# Altium PCB F4_PCB.PcbDoc (part 1 of 2)
Units mm, origin at the board's own origin, x right, y up, seen from the top; angles counter-clockwise.
Board outline 53 x 92 mm, 2 copper layers (Top Layer, Bottom Layer); 135 components, 165 nets, 659 pads, 265 vias.
Unrouted connection lines stored in the file: 117.
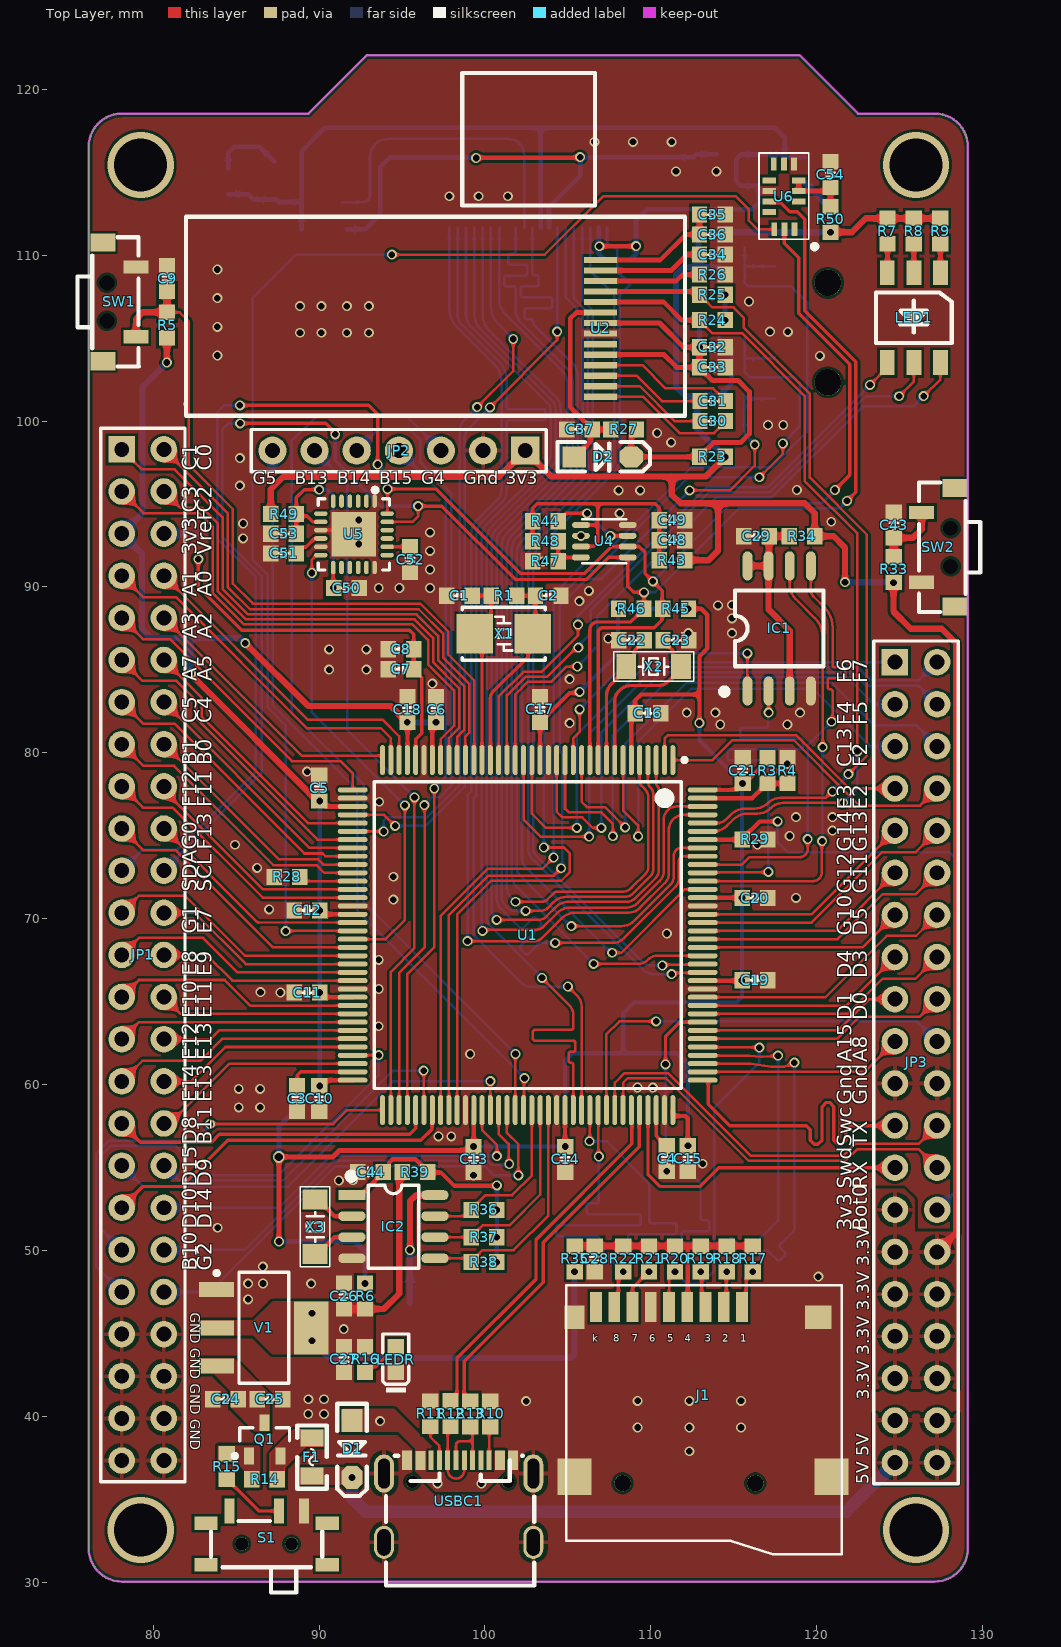
[diagram p0: Top Layer view]
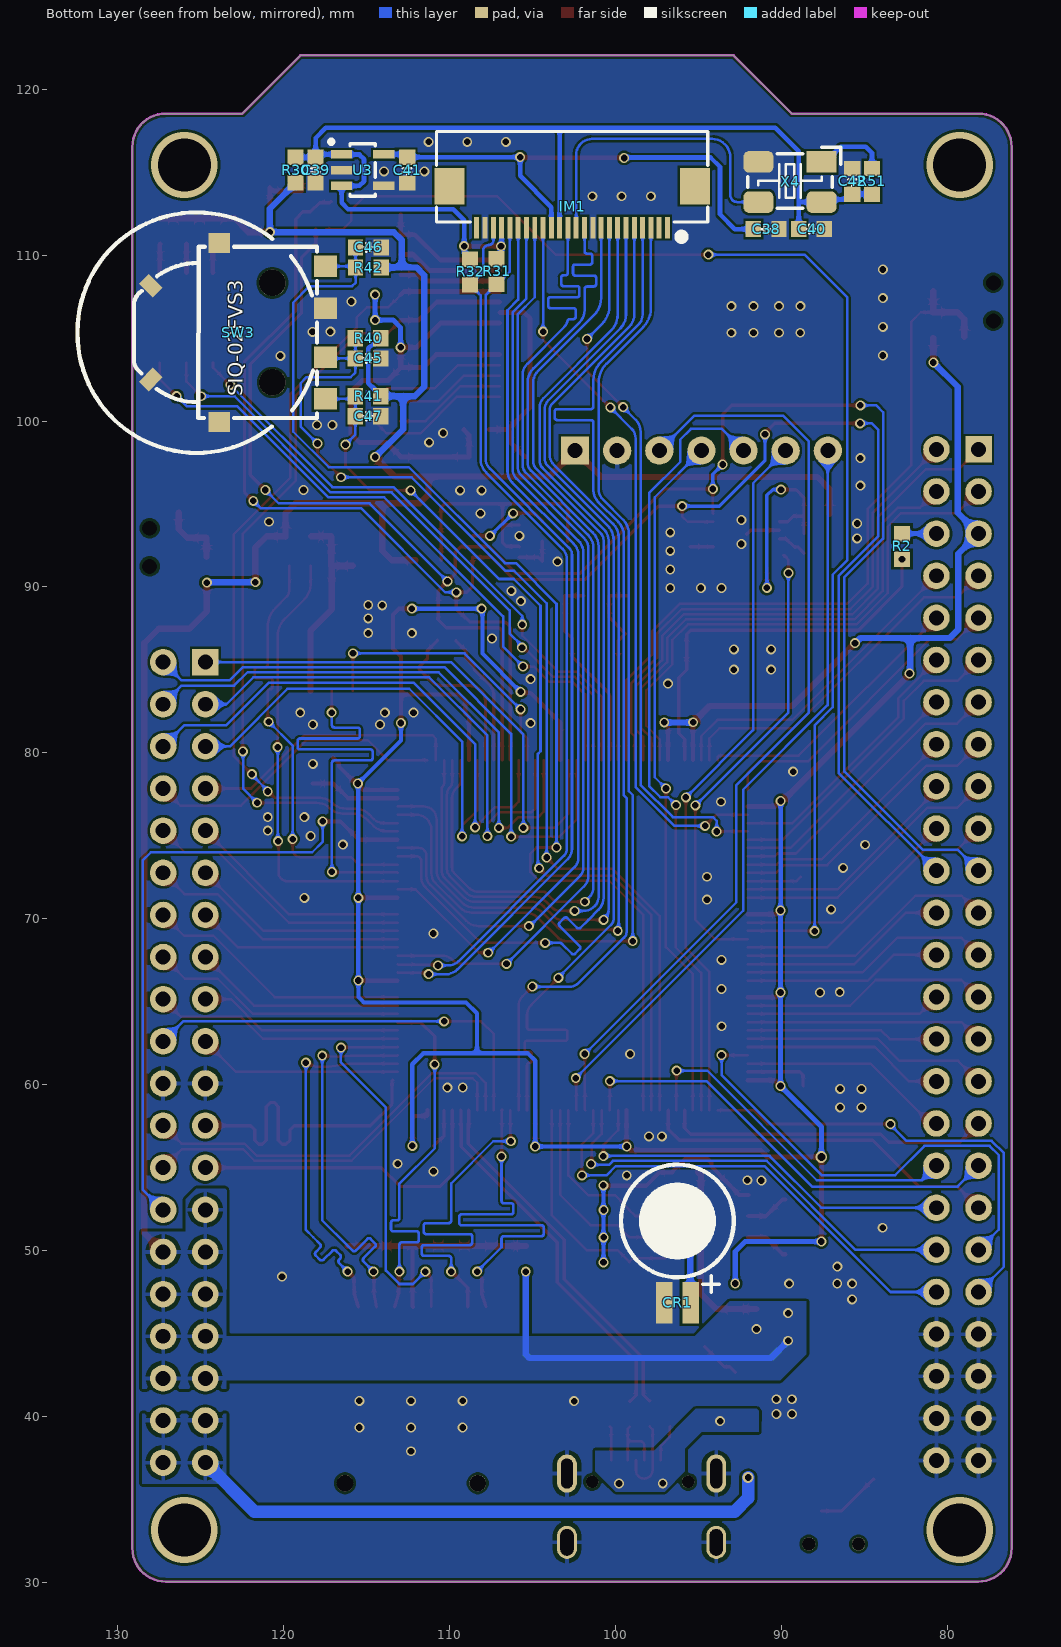
[diagram p1: Bottom Layer view, seen from below]

## Layer stack, top to bottom
Top Solder: solder mask 0.0102, Solder Resist, Dk 3.5
Top Layer: signal copper 0.0356
Dielectric 1: dielectric 0.32, FR-4, Dk 4.8
Bottom Layer: signal copper 0.0356
Bottom Solder: solder mask 0.0102, Solder Resist, Dk 3.5

## Board outline
76.116,32.042 76.116,116.542 cw(c78.116,116.542) 78.116,118.542 89.366,118.542 92.866,122.042 118.991,122.042 122.491,118.542 127.116,118.542 cw(c127.116,116.542) 129.116,116.542 129.116,32.042 cw(c127.116,32.042) 127.116,30.042 78.116,30.042 cw(c78.116,32.042)

## Design rules (kind name [scope] priority, off if disabled: settings)
Clearance Clearance_1 [InNetClass('fpc_14')] p1: gap=0.152 ignorepadtopadclearanceinfootprint=TRUE
Clearance [All] p2: gap=0.152 ignorepadtopadclearanceinfootprint=TRUE
DiffPairsRouting [All] p1: maxlimit=0.254 minlimit=0.178 mostfreqgap=0.229 toplayer_minwidth=0.152 toplayer_maxwidth=0.381 toplayer_prefwidth=0.152 bottomlayer_minwidth=0.152 bottomlayer_maxwidth=0.381 bottomlayer_prefwidth=0.152 maxuncoupledlength=12.7
HoleToHoleClearance [All] p1: gap=0 allowstackedmicrovias=TRUE
MinimumSolderMaskSliver [All] p1: minsoldermaskwidth=0
PlaneClearance [All] p1: clearance=0.254
PlaneConnect [All] p1: planeconnectstyle=Relief reliefexpansion=0.508 reliefentries=4 reliefconductorwidth=0.254 reliefairgap=0
PolygonConnect [All] p1: thpad.connectstyle=Relief thpad.reliefconductorwidth=0.254 thpad.reliefentries=4 thpad.polygonreliefangle="90 Angle" thpad.airgapwidth=0.254 smdpad.connectstyle=Direct smdpad.reliefconductorwidth=0.254 smdpad.reliefentries=4 smdpad.polygonreliefangle="90 Angle" smdpad.airgapwidth=0.254 via.connectstyle=Direct via.reliefconductorwidth=0.254 via.reliefentries=4 via.polygonreliefangle="90 Angle" via.airgapwidth=0.254
RoutingVias [All] p1: holewidth=0.4 width=0.6 viastyle="Through Hole" minholewidth=0.4 minwidth=0.6 maxholewidth=30 maxwidth=100
SilkToSilkClearance [All] p1: silktosilkclearance=0
SilkToSolderMaskClearance [IsPad] p1: minsilkscreentomaskgap=0 clearancetoexposedcopper=TRUE
SolderMaskExpansion [All] p1: expansion=0.102 istentingtop=TRUE
UnRoutedNet [All] p1: checkbadconnections=TRUE
Width [All] p1: maxlimit=0.762 minlimit=0.152 preferedwidth=0.152
22 further rules are at their usual default settings.

## Components (designator, comment, footprint, x,y, rotation, side; value= is the part's Value field where it differs from the comment)
C1 "104" "C 0603_N" 98.468,89.472 r180 top
C2 "104" "C 0603_N" 103.818,89.472 r0 top
C3 "104" "C 0603_N" 88.665,59.15 r90 top
C4 "104" "C 0603_N" 110.96,55.537 r90 top
C5 "104" "C 0603_N" 90.02,77.87 r90 top
C6 "104" "C 0603_N" 97.053,82.607 r90 top
C7 "104" "C 0603_N" 94.937,85.039 r0 top
C8 "104" "C 0603_N" 94.937,86.239 r0 top
C9 "104" "C 0603_N" 80.835,108.593 r90 top
C10 "104" "C 0603_N" 90.02,59.15 r90 top
C11 "104" "C 0603_N" 89.275,65.551 r0 top
C12 "104" "C 0603_N" 89.275,70.498 r0 top
C13 "104" "C 0603_N" 99.314,55.497 r90 top
C14 "104" "C 0603_N" 104.838,55.497 r90 top
C15 "104" "C 0603_N" 112.23,55.537 r90 top
C16 "104" "C 0603_N" 109.823,82.391 r180 top
C17 "104" "C 0603_N" 103.314,82.622 r270 top
C18 "104" "C 0603_N" 95.326,82.607 r270 top
C19 "104" "C 0603_N" 116.277,66.294 r180 top
C20 "104" "C 0603_N" 116.277,71.247 r180 top
C21 "104" "C 0603_N" 115.538,78.924 r270 top
C22 "104" "C 0603_N" 108.839,86.792 r0 top
C23 "104" "C 0603_N" 111.506,86.792 r180 top
C24 "104" "C 0603_N" 84.372,41.034 r0 top
C25 "104" "C 0603_N" 87.039,41.034 r180 top
C26 "104" "C 0603_N" 91.504,47.244 r270 top
C27 "104" "C 0603_N" 91.504,43.434 r90 top
C28 "104" "C 0603_N" 106.619,49.499 r270 top
C29 "104" "C 0603_N" 116.372,93.06 r180 top
C30 "1uF" "C 0603_N" 113.735,100 r0 top
C31 "1uF" "C 0603_N" 113.735,101.206 r180 top
C32 "4.7uF" "C 0603_N" 113.709,104.45 r180 top
C33 "0.1uF" "C 0603_N" 113.709,103.244 r180 top
C34 "2.2uF" "C 0603_N" 113.709,110.038 r180 top
C35 "4.7uF" "C 0603_N" 113.709,112.451 r180 top
C36 "0.1uF" "C 0603_N" 113.709,111.245 r180 top
C37 "4.7uF" "C 0603_N" 105.708,99.497 r0 top
C38 "104" "C 0603_N" 90.907,111.576 r0 bottom
C39 "105" "C 0603_N" 118.072,115.132 r90 bottom
C40 "104" "C 0603_N" 88.174,111.576 r0 bottom
C41 "105" "C 0603_N" 112.554,115.126 r90 bottom
C42 "104" "C 0603_N" 85.719,114.457 r270 bottom
C43 "104" "C 0603_N" 124.65,93.734 r270 top
C44 "104" "C 0603_N" 93.104,54.731 r0 top
C45 "104" "C 0603_N" 114.902,103.778 r0 bottom
C46 "104" "C 0603_N" 114.895,110.471 r0 bottom
C47 "104" "C 0603_N" 114.902,100.292 r0 bottom
C48 "1uF" "C 0603_N" 111.284,92.824 r180 top
C49 "0.1uF" "C 0603_N" 111.284,94.031 r180 top
C50 "10nF" "C 0603_N" 91.645,89.935 r0 top
C51 "0.1uF" "C 0603_N" 87.863,92.024 r0 top
C52 "2.2uF" "C 0603_N" 95.485,91.643 r270 top
C53 "0.1uF" "C 0603_N" 87.862,93.212 r0 top
C54 "104" "C 0603_N" 120.83,114.853 r270 top
CR1 "1220" ML621FE 96.26,51.784 r90 bottom
D1 "SS14" SOD-123 91.992,38.036 r270 top
D2 "1N4148" SOD-123 107.105,97.846 r0 top
F1 "MSMD200-8V 2A" "FU 0805" 89.573,37.548 r90 top
IC1 "W25Qxx" SOP8W_L 117.742,87.503 r90 top
IC2 "DS1302" SOP8_L 94.485,51.437 r0 top
IM1 "OV2640" "FPC0.5 2H-WS-24P" 102.61,114.16 r0 bottom locked
J1 "TF_Card" "Micro SD" 112.3,35.973 r0 top
JP1 "Header 2X25" HDR2.54-LI-2x25P 79.502,70.358 r270 top locked
JP2 "HDR-1X7" HDR2.54-M-LI-7P 94.812,98.222 r180 top
JP3 "Header 2X11" HDR2.54-LI-2x20P 125.99,61.341 r270 top locked
LED1 "LED-RGB" "LED 5050" 125.857,106.236 r270 top
LEDR "R" "LED 0603R" 94.628,43.428 r270 top
Q1 "SI2301" SOT23-3L 86.718,38.611 r90 top
R1 "1M" "R 0603_N" 101.143,89.472 r0 top
R2 "10R" "R 0603_N" 82.721,92.448 r90 bottom
R3 "0R" "R 0603_N" 117.03,78.93 r270 top
R4 "0R" "R 0603_N" 118.237,78.93 r270 top
R5 "10K" "R 0603_N" 80.835,105.791 r270 top
R6 "0R" "R 0603_N" 92.773,47.244 r90 top
R7 "4.7K" "R 0603_N" 124.269,111.45 r90 top
R8 "4.7K" "R 0603_N" 125.857,111.45 r90 top
R9 "4.7K" "R 0603_N" 127.444,111.45 r90 top
R10 "5.1K" "R 0603_N" 100.324,40.151 r90 top
R11 "5.1K" "R 0603_N" 96.704,40.159 r270 top
R12 "10R" "R 0603_N" 97.93,40.164 r90 top
R13 "10R" "R 0603_N" 99.123,40.145 r90 top
R14 "10K" "R 0603_N" 86.716,36.214 r180 top
R15 "100R" "R 0603_N" 84.43,36.976 r270 top
R16 "4.7K" "R 0603_N" 92.773,43.434 r270 top
R17 "4.7K" "R 0603_N" 116.144,49.499 r270 top
R18 "4.7K" "R 0603_N" 114.582,49.499 r270 top
R19 "4.7K" "R 0603_N" 113.019,49.499 r270 top
R20 "4.7K" "R 0603_N" 111.457,49.499 r270 top
R21 "4.7K" "R 0603_N" 109.895,49.499 r270 top
R22 "4.7K" "R 0603_N" 108.333,49.499 r270 top
R23 "0R" "R 0603_N" 113.709,97.846 r180 top
R24 "4.7K" "R 0603_N" 113.709,106.089 r180 top
R25 "4.7K" "R 0603_N" 113.709,107.625 r180 top
R26 "560K" "R 0603_N" 113.709,108.832 r180 top
R27 "4.7K" "R 0603_N" 108.367,99.497 r0 top
R28 "10K" "R 0603_N" 88.062,72.517 r0 top
R29 "10K" "R 0603_N" 116.277,74.784 r180 top
R30 "0R" "R 0603_N" 119.278,115.132 r90 bottom
R31 "4.7K" "R 0603_N" 107.163,109.023 r90 bottom
R32 "4.7K" "R 0603_N" 108.763,108.991 r90 bottom
R33 "10K" "R 0603_N" 124.65,91.059 r270 top
R34 "0R" "R 0603_N" 119.111,93.06 r180 top
R35 "0R" "R 0603_N" 105.412,49.499 r90 top
R36 "4.7K" "R 0603_N" 99.936,52.445 r0 top
R37 "4.7K" "R 0603_N" 99.936,50.794 r0 top
R38 "4.7K" "R 0603_N" 99.936,49.301 r0 top
R39 "0R" "R 0603_N" 95.785,54.731 r0 top
R40 "10K" "R 0603_N" 114.902,104.991 r180 bottom
R41 "10K" "R 0603_N" 114.902,101.505 r180 bottom
R42 "10K" "R 0603_N" 114.895,109.258 r180 bottom
R43 "0R" "R 0603_N" 111.276,91.618 r180 top
R44 "10k" "R 0603_N" 103.645,93.967 r180 top
R45 "4.7k" "R 0603_N" 111.501,88.69 r0 top
R46 "4.7k" "R 0603_N" 108.822,88.69 r180 top
R47 "10K" "R 0603_N" 103.645,91.554 r0 top
R48 "4.7K" "R 0603_N" 103.645,92.761 r0 top
R49 "0R" "R 0603_N" 87.863,94.399 r0 top
R50 "0R" "R 0603_N" 120.83,112.164 r90 top
R51 "10K" "R 0603_N" 84.531,114.457 r90 bottom
S1 "SS-12F23" MSK-12C01-07 86.843,32.302 r0 top
SW1 "3x6x5" "TSW 3*6*4.3-S-W" 77.216,107.188 r270 top
SW2 "3x6x5" "TSW 3*6*4.3-S-W" 128.079,92.392 r90 top
SW3 "波轮开关" SIQ-02FVS3 120.587,105.321 r90 bottom locked
U1 "STM32F407ZGT6" TQFP144_N 102.578,69.018 r270 top locked
U2 "0.91OLED" 0.91OLED 97.79,107.201 r0 top locked
U3 "TVL70218DBVR" SOT-23-5 116.503,116.082 r180 bottom
U4 "BME/BMP280" BME/BMP280 107.201,92.761 r0 top
U5 "MPU6050" MPU6050 92.094,93.174 r180 top
U6 "PAJ7620" PAJ7620 119.018,110.97 r270 top
USBC1 "TYPE-C 2.0 -16P" USB-C-SMD_TYPE-C-USB-5 98.419,34.881 r0 top locked
V1 "LD1117-3V3" SOT223_L 86.677,45.339 r0 top locked
X1 "8MHz" "OSC 5032-2P" 101.143,87.186 r180 top
X2 "32.768K" "OSC 3215-2P" 110.172,85.204 r0 top
X3 "32.768K" "OSC 3215-2P" 89.764,51.429 r270 top
X4 "12M" "OSC 5032-4P" 89.471,114.478 r0 bottom

## Footprints (in the part's own frame and the unit in brackets; to place one, negate y for a bottom-side part, rotate by r counter-clockwise, add the part's x,y. Pads: shape width x height; smd on the part's side, far side on the other; paste and mask are expansions set on the pad)
0.91OLED [mm] "30*11.50.91OLED"
  rect 2x0.38 smd: 1(9.188,-5.728) 2(9.188,-5.094) 3(9.188,-4.46) 4(9.188,-3.826) 5(9.188,-3.192) 6(9.188,-2.558) 7(9.188,-1.924) 8(9.188,-1.29) 9(9.188,-0.656) 10(9.188,-0.022) 11(9.188,0.612) 12(9.188,1.246) 13(9.188,1.88) 14(9.188,2.514)
  silkscreen extent -15.83,-6.88 14.27,5.12
BME/BMP280 [mm]
  oval 1.067x0.364 smd: 1(1.408,0.975) 2(1.408,0.325) 3(1.408,-0.325) 4(1.408,-0.975) 5(-1.408,-0.975) 6(-1.408,-0.325) 7(-1.408,0.325) 8(-1.408,0.975)
  silkscreen extent -1.33,-1.33 1.33,1.33, body extent -1.5,-1.5 1.5,1.5, height 0.91
"C 0603_N" [mm]
  rect 0.93x0.98 smd: 1(-0.77,0) 2(0.77,0)
  silkscreen extent -0.25,-0.25 0.25,0.25, body extent -0.8,-0.4 0.8,0.4, height 0.3
"FPC0.5 2H-WS-24P" [mm] "长：16.2mm，宽：5.2mm，高：2mm 淘宝ID:黄晶宝石   店铺网址:https://shop463601444.taobao.com"
  rect 1.8x2.2 smd: 0(-7.4,0) 0(7.4,0)
  rect 0.3x1.3 smd: 1(-5.75,2.497) 2(-5.25,2.497) 3(-4.75,2.497) 4(-4.25,2.497) 5(-3.75,2.497) 6(-3.25,2.497) 7(-2.75,2.497) 8(-2.25,2.497) 9(-1.75,2.497) 10(-1.25,2.497) 11(-0.75,2.497) 12(-0.25,2.497) 13(0.25,2.497) 14(0.75,2.497) 15(1.25,2.497) 16(1.75,2.497) 17(2.25,2.497) 18(2.75,2.497) 19(3.25,2.497) 20(3.75,2.497) 21(4.25,2.497) 22(4.75,2.497) 23(5.25,2.497) 24(5.75,2.497)
  silkscreen extent -8.18,-3.3 8.18,3.23, body extent -8.1,-3.15 8.1,2.85, height 2
"FU 0805" [mil] "贴片保险丝"
  rect 40x55 smd: 1(-45,0) 2(45,0)
  silkscreen extent -75,-35 75,35, body extent -39,-24 39,24, height 20
HDR2.54-LI-2x20P [mm] "双排排针，20x2脚"
  rect 1.6x1.6 hole 0.9: 1(-24.13,-1.27)
  round 1.6 hole 0.9: 2(-24.13,1.27) 3(-21.59,-1.27) 4(-21.59,1.27) 5(-19.05,-1.27) 6(-19.05,1.27) 7(-16.51,-1.27) 8(-16.51,1.27) 9(-13.97,-1.27) 10(-13.97,1.27) 11(-11.43,-1.27) 12(-11.43,1.27) 13(-8.89,-1.27) 14(-8.89,1.27) 15(-6.35,-1.27) 16(-6.35,1.27) 17(-3.81,-1.27) 18(-3.81,1.27) 19(-1.27,-1.27) 20(-1.27,1.27) 21(1.27,-1.27) 22(1.27,1.27) 23(3.81,-1.27) 24(3.81,1.27) 25(6.35,-1.27) 26(6.35,1.27) 27(8.89,-1.27) 28(8.89,1.27) 29(11.43,-1.27) 30(11.43,1.27) 31(13.97,-1.27) 32(13.97,1.27) 33(16.51,-1.27) 34(16.51,1.27) 35(19.05,-1.27) 36(19.05,1.27) 37(21.59,-1.27) 38(21.59,1.27) 39(24.13,-1.27) 40(24.13,1.27)
  silkscreen extent -25.4,-2.54 25.4,2.54, body extent -25.4,-2.54 25.4,2.54, height 8.5
HDR2.54-LI-2x25P [mm]
  rect 1.6x1.6 hole 0.9: 1(-27.94,-1.397)
  round 1.6 hole 0.9: 2(-27.94,1.143) 3(-25.4,-1.397) 4(-25.4,1.143) 5(-22.86,-1.397) 6(-22.86,1.143) 7(-20.32,-1.397) 8(-20.32,1.143) 9(-17.78,-1.397) 10(-17.78,1.143) 11(-15.24,-1.397) 12(-15.24,1.143) 13(-12.7,-1.397) 14(-12.7,1.143) 15(-10.16,-1.397) 16(-10.16,1.143) 17(-7.62,-1.397) 18(-7.62,1.143) 19(-5.08,-1.397) 20(-5.08,1.143) 21(-2.54,-1.397) 22(-2.54,1.143) 23(0,-1.397) 24(0,1.143) 25(2.54,-1.397) 26(2.54,1.143) 27(5.08,-1.397) 28(5.08,1.143) 29(7.62,-1.397) 30(7.62,1.143) 31(10.16,-1.397) 32(10.16,1.143) 33(12.7,-1.397) 34(12.7,1.143) 35(15.24,-1.397) 36(15.24,1.143) 37(17.78,-1.397) 38(17.78,1.143) 39(20.32,-1.397) 40(20.32,1.143) 41(22.86,-1.397) 42(22.86,1.143) 43(25.4,-1.397) 44(25.4,1.143) 45(27.94,-1.397) 46(27.94,1.143) 47(30.48,-1.397) 48(30.48,1.143) 49(33.02,-1.397) 50(33.02,1.143)
  silkscreen extent -29.21,-2.67 34.29,2.41, body extent -29.21,-2.67 34.29,2.41, height 8.5
HDR2.54-M-LI-7P [mm] "排母，7脚"
  rect 1.7x1.7 hole 0.9: 1(-7.62,0)
  round 1.7 hole 0.9: 2(-5.08,0) 3(-2.54,0) 4(0,0) 5(2.54,0) 6(5.08,0) 7(7.62,0)
  silkscreen extent -8.89,-1.27 8.89,1.27, body extent -8.89,-1.27 8.89,1.27, height 8.5
"LED 0603R" [mm] "红色0603LED                                        淘宝ID:黄晶宝石"
  rect 0.93x0.98 smd: 1(-0.77,0) 2(0.77,0)
  silkscreen extent -1.54,-0.79 1.98,0.79, body extent -0.8,-0.4 0.8,0.4, height 0.6
"LED 5050" [mm] "白色5050LED                                           淘宝ID:黄晶宝石"
  rect 1.5x0.9 smd: 1(-2.705,1.6) 2(2.705,1.6) 3(-2.705,0) 4(2.705,0) 5(-2.705,-1.6) 6(2.705,-1.6)
  silkscreen extent -1.52,-2.29 1.52,2.29, body extent -2.7,-2.5 2.7,2.5, height 1.65
"Micro SD" [mm] "淘宝ID:黄晶宝石   店铺网址:https://shop463601444.taobao.com"
  round 1 hole 1 unplated: 0(-4,0) 0(4,0)
  rect 0.7x1.8 smd: 1(3.2,10.627) 2(2.1,10.627) 3(1,10.627) 4(-0.1,10.627) 5(-1.2,10.627) 6(-2.3,10.627) 7(-3.4,10.627) 8(-4.5,10.627) 9(-5.6,10.627)
  rect 2.032x2.2 smd: 10(-6.9,0.4) 10(8.6,0.4)
  rect 1.2x1.4 smd: 10(-6.9,10)
  rect 1.6x1.4 smd: 10(7.8,10)
  silkscreen extent -7.4,-4.28 9.2,11.94, body extent -7.05,-4 8.95,11.25, height 2
ML621FE [mm] "可充电纽扣电池"
  rect 2.5x1 smd: 1(-4.927,-0.8) 2(-4.927,0.8)
  silkscreen extent -4.32,-3.4 3.4,3.4, body extent -5.5,-3.4 3.4,3.4, height 2.45
MPU6050 [mm]
  oval 0.28x0.8 smd: 1(-1.262,-2) 2(-0.762,-2) 3(-0.262,-2) 4(0.238,-2) 5(0.738,-2) 6(1.238,-2) 13(1.238,2) 14(0.738,2) 15(0.238,2) 16(-0.262,2) 17(-0.762,2) 18(-1.254,2)
  oval 0.8x0.28 smd: 7(1.987,-1.25) 8(1.988,-0.75) 9(1.987,-0.25) 10(1.988,0.25) 11(1.987,0.75) 12(1.988,1.25) 19(-2.012,1.25) 20(-2.012,0.75) 21(-2.012,0.25) 22(-2.013,-0.25) 23(-2.012,-0.75) 24(-2.013,-1.25)
  rect 2.7x2.7 smd: 25(0,0)
  silkscreen extent -2.15,-2.92 2.15,2.15
MSK-12C01-07 [mm] "6.7*2.8*1.5mm(长宽高）      淘宝ID:黄晶宝石"
  rect 1.4x0.8 smd: 0(-3.65,-1.25) 0(-3.65,1.25) 0(3.65,-1.25) 0(3.65,1.25)
  rect 0.6x1.5 smd: 1(-2.25,1.996) 2(0.75,1.996) 3(2.25,1.996)
  round 0.8 hole 0.8: " "(-1.5,0) " "(1.5,0)
  silkscreen extent -3.35,-2.92 3.35,1.4, body extent -3.92,-2.9 3.92,2.4, height 1.5
"OSC 3215-2P" [mm] "3.2*1.5*0.6mm(长宽高)                      淘宝ID:黄晶宝石"
  rect 1.2x1.5 smd: 1(-1.65,0) 2(1.65,0)
  silkscreen extent -2.41,-0.89 2.41,0.89, body extent -1.6,-0.75 1.6,0.75, height 0.61
"OSC 5032-2P" [mm] "5mm*3.2mm*0.8mm(长*宽*高)                  淘宝ID:黄晶宝石"
  rect 2.2x2.4 smd: 1(-1.75,0) 2(1.75,0)
  silkscreen extent -2.5,-1.6 2.5,1.6, body extent -2.5,-1.6 2.5,1.6, height 0.86
"OSC 5032-4P" [mm] "5mm*3.2mm*0.8mm(长*宽*高)     淘宝ID:黄晶宝石"
  rect 1.8x1.3 smd: 1(-1.9,-1.15)
  rrect50% 1.8x1.3 smd: 2(1.9,-1.15) 3(1.9,1.272) 4(-1.9,1.272)
  silkscreen extent -3.05,-2.03 2.54,1.65, body extent -2.5,-1.6 2.5,1.6, height 0.86
PAJ7620 [mm]
  rect 0.8x0.35 smd: 1(-0.593,-0.356) 2(-0.593,-0.966) 3(-0.593,-1.576) 8(-4.53,-1.601) 9(-4.53,-0.991) 10(-4.53,-0.381)
  rect 0.35x0.8 smd: 4(-1.635,-1.88) 5(-2.27,-1.88) 6(-2.905,-1.88) 7(-3.54,-1.88) 11(-3.54,-0.102) 12(-2.905,-0.102) 13(-2.27,-0.102)
  silkscreen extent -5.19,-2.49 0.48,0.89
"R 0603_N" [mm]
  rect 0.93x0.98 smd: 1(-0.77,0) 2(0.77,0)
  body extent -0.85,-0.4 0.85,0.4, height 0.56
SIQ-02FVS3 [mm]
  rect 1.2x1.3 smd: 0(-5.385,3.29) 0(5.415,3.29)
  rect 0.85x1.2 smd rot 45: 0(-2.814,7.418)
  rect 0.85x1.2 smd rot 135: 0(2.843,7.418)
  rect 1.3x1.4 smd: A(-3.985,-3.11) B(4.015,-3.11) C(1.49,-3.11) S(-1.46,-3.11)
  round 1.6 hole 1.6 unplated: ""(-2.985,0.09) ""(3.015,0.09)
  silkscreen extent -7.24,-2.61 7.26,11.84
SOD-123 [mil] "2.7x1.6X1.1mm（长宽高，不包括引脚） 淘宝ID:黄晶宝石"
  rect 55x50 smd: 1(-67.5,0)
  oct 55x50 smd: 2(67.5,0)
  silkscreen extent -108,-35 112,35, body extent -73,-31 73,31, height 48
SOP8_L [mil] "5*6*1.8mm（长宽高）封装库来自淘宝卖家 ID：黄晶宝石"
  rect 65x23 smd: 1(-98.43,75)
  oval 65x23 smd: 2(-98.43,25) 3(-98.43,-25) 4(-98.43,-75) 5(98.43,-75) 6(98.43,-25) 7(98.43,25) 8(98.43,75)
  silkscreen extent -106,-98 60,126, body extent -118,-98 118,98, height 75
SOP8W_L [mm] "SPI_FLASH 5.3*8.3*1.8mm（长宽高）  淘宝ID:黄晶宝石"
  oval 1.75x0.6 smd: 1(-3.768,1.905) 2(-3.768,0.635) 3(-3.768,-0.635) 4(-3.768,-1.905) 5(3.768,-1.905) 6(3.768,-0.635) 7(3.768,0.635) 8(3.768,1.905)
  silkscreen extent -3.94,-2.67 2.29,3.43, body extent -3.94,-2.64 3.94,2.64, height 1.9
SOT23-3L [mm] "SOT23, 3-Leads, Body 2.9x1.3mm, Pitch 0.95mm, Lead Span 2.4mm, IPC High Density封装库来自淘宝卖家 ID：黄晶宝石"
  rect 1x0.6 smd: 1(-1,0.95) 2(-1,-0.95) 3(1,0)
  silkscreen extent -1.12,-1.5 0.7,1.92, body extent -1.2,-1.5 1.2,1.5, height 1.05
SOT223_L [mm] "SOT223, 4-Leads, Body 6.5x3.5mm, Pitch 2.3mm, Lead Span 7mm, IPC High Density"
  rect 2.1x0.9 smd: 1(-2.85,2.3) 2(-2.85,0) 3(-2.85,-2.3)
  rect 2.1x3.2 smd: 4(2.85,0)
  silkscreen extent -2.97,-3.35 1.5,3.42, body extent -1.85,-3.35 1.85,3.35, height 1.7
SOT-23-5 [mil]
  rect 50x20 smd: 1(0,0) 2(0,-37.4) 3(0,-74.8) 4(100,-74.8) 5(100,0)
  silkscreen extent -25,-99 80,30
TQFP144_N [mm] "Thin QFP, 144-Leads, Body 20x20mm, Pitch 0.5mm, IPC Medium Density"
  oval 1.8x0.3 smd: 1(-10.55,8.75) 2(-10.55,8.25) 3(-10.55,7.75) 4(-10.55,7.25) 5(-10.55,6.75) 6(-10.55,6.25) 7(-10.55,5.75) 8(-10.55,5.25) 9(-10.55,4.75) 10(-10.55,4.25) 11(-10.55,3.75) 12(-10.55,3.25) 13(-10.55,2.75) 14(-10.55,2.25) 15(-10.55,1.75) 16(-10.55,1.25) 17(-10.55,0.75) 18(-10.55,0.25) 19(-10.55,-0.25) 20(-10.55,-0.75) 21(-10.55,-1.25) 22(-10.55,-1.75) 23(-10.55,-2.25) 24(-10.55,-2.75) 25(-10.55,-3.25) 26(-10.55,-3.75) 27(-10.55,-4.25) 28(-10.55,-4.75) 29(-10.55,-5.25) 30(-10.55,-5.75) 31(-10.55,-6.25) 32(-10.55,-6.75) 33(-10.55,-7.25) 34(-10.55,-7.75) 35(-10.55,-8.25) 36(-10.55,-8.75) 73(10.55,-8.75) 74(10.55,-8.25) 75(10.55,-7.75) 76(10.55,-7.25) 77(10.55,-6.75) 78(10.55,-6.25) 79(10.55,-5.75) 80(10.55,-5.25) 81(10.55,-4.75) 82(10.55,-4.25) 83(10.55,-3.75) 84(10.55,-3.25) 85(10.55,-2.75) 86(10.55,-2.25) 87(10.55,-1.75) 88(10.55,-1.25) 89(10.55,-0.75) 90(10.55,-0.25) 91(10.55,0.25) 92(10.55,0.75) 93(10.55,1.25) 94(10.55,1.75) 95(10.55,2.25) 96(10.55,2.75) 97(10.55,3.25) 98(10.55,3.75) 99(10.55,4.25) 100(10.55,4.75) 101(10.55,5.25) 102(10.55,5.75) 103(10.55,6.25) 104(10.55,6.75) 105(10.55,7.25) 106(10.55,7.75) 107(10.55,8.25) 108(10.55,8.75)
  oval 0.3x1.8 smd: 37(-8.75,-10.55) 38(-8.25,-10.55) 39(-7.75,-10.55) 40(-7.25,-10.55) 41(-6.75,-10.55) 42(-6.25,-10.55) 43(-5.75,-10.55) 44(-5.25,-10.55) 45(-4.75,-10.55) 46(-4.25,-10.55) 47(-3.75,-10.55) 48(-3.25,-10.55) 49(-2.75,-10.55) 50(-2.25,-10.55) 51(-1.75,-10.55) 52(-1.25,-10.55) 53(-0.75,-10.55) 54(-0.25,-10.55) 55(0.25,-10.55) 56(0.75,-10.55) 57(1.25,-10.55) 58(1.75,-10.55) 59(2.25,-10.55) 60(2.75,-10.55) 61(3.25,-10.55) 62(3.75,-10.55) 63(4.25,-10.55) 64(4.75,-10.55) 65(5.25,-10.55) 66(5.75,-10.55) 67(6.25,-10.55) 68(6.75,-10.55) 69(7.25,-10.55) 70(7.75,-10.55) 71(8.25,-10.55) 72(8.75,-10.55) 109(8.75,10.55) 110(8.25,10.55) 111(7.75,10.55) 112(7.25,10.55) 113(6.75,10.55) 114(6.25,10.55) 115(5.75,10.55) 116(5.25,10.55) 117(4.75,10.55) 118(4.25,10.55) 119(3.75,10.55) 120(3.25,10.55) 121(2.75,10.55) 122(2.25,10.55) 123(1.75,10.55) 124(1.25,10.55) 125(0.75,10.55) 126(0.25,10.55) 127(-0.25,10.55) 128(-0.75,10.55) 129(-1.25,10.55) 130(-1.75,10.55) 131(-2.25,10.55) 132(-2.75,10.55) 133(-3.25,10.55) 134(-3.75,10.55) 135(-4.25,10.55) 136(-4.75,10.55) 137(-5.25,10.55) 138(-5.75,10.55) 139(-6.25,10.55) 140(-6.75,10.55) 141(-7.25,10.55) 142(-7.75,10.55) 143(-8.25,10.55) 144(-8.75,10.55)